# KiCad board poly_kb_molecule_16x5.kicad_pcb (continued)
## Routing (per net, layer and track width the routed paths; a pad name or vN(x,y) marks a point on that pad's centre or on a via; arc(x,y) is an arc through that point) (continued)
CS7: length 1789.9
  Top w0.254: v1(193,80.14) 193.43,80.14 v1(194.47,79.09) ; v1(175.42,79.09) 174.38,80.14 v1(173.95,80.14) ; v1(78.7,61.09) 79.13,61.09 v1(80.17,60.04) ; v1(2.5,61.09) 2.93,61.09 v1(3.97,60.04) ; v1(231.1,22.99) 231.53,22.99 v1(232.57,21.94) ; v1(78.7,80.14) 79.13,80.14 v1(80.17,79.09) ; v1(232.57,40.99) 231.53,42.04 v1(231.1,42.04) ; v1(3.97,21.94) 2.93,22.99 v1(2.5,22.99) ; v1(40.6,3.94) 41.03,3.94 v1(42.07,2.89) ; v1(269.2,3.94) 269.63,3.94 v1(270.67,2.89) ; v1(250.15,42.04) 250.58,42.04 v1(251.62,40.99) ; v1(23.02,60.04) 21.98,61.09 v1(21.55,61.09) ; v1(61.12,79.09) 60.08,80.14 v1(59.65,80.14) ; v1(175.42,2.89) 174.38,3.94 v1(173.95,3.94) ; v1(288.25,3.94) 288.68,3.94 v1(289.72,2.89) ; v1(40.6,80.14) 41.03,80.14 v1(42.07,79.09) ; v1(232.57,2.89) 231.53,3.94 v1(231.1,3.94) ; v1(59.65,3.94) 60.08,3.94 v1(61.12,2.89) ; v1(289.72,40.99) 288.68,42.04 v1(288.25,42.04) ; v1(118.27,60.04) 117.23,61.09 v1(116.8,61.09) ; v1(212.05,22.99) 212.48,22.99 v1(213.52,21.94) ; v1(156.37,40.99) 155.33,42.04 v1(154.9,42.04) ; v1(269.2,61.09) 269.63,61.09 v1(270.67,60.04) ; v1(251.62,2.89) 250.58,3.94 v1(250.15,3.94) ; v1(118.27,2.89) 117.23,3.94 v1(116.8,3.94) ; v1(97.75,61.09) 98.18,61.09 v1(99.22,60.04) ; v1(173.95,61.09) 174.38,61.09 v1(175.42,60.04) ; v1(269.2,22.99) 269.63,22.99 v1(270.67,21.94) ; v1(118.27,79.09) 117.23,80.14 v1(116.8,80.14) ; v1(80.17,2.89) 79.13,3.94 v1(78.7,3.94) ; v1(193,22.99) 193.43,22.99 v1(194.47,21.94) ; v1(193,61.09) 193.43,61.09 v1(194.47,60.04) ; v1(231.1,80.14) 231.53,80.14 v1(232.57,79.09) ; v1(212.05,42.04) 212.48,42.04 v1(213.52,40.99) ; v1(42.07,40.99) 41.03,42.04 v1(40.6,42.04) ; v1(193,42.04) 193.43,42.04 v1(194.47,40.99) ; v1(97.75,42.04) 98.18,42.04 v1(99.22,40.99) ; v1(213.52,79.09) 212.48,80.14 v1(212.05,80.14) ; v1(118.27,40.99) 117.23,42.04 v1(116.8,42.04) ; v1(289.72,79.09) 288.68,80.14 v1(288.25,80.14) ; v1(156.37,2.89) 155.33,3.94 v1(154.9,3.94) ; v1(251.62,79.09) 250.58,80.14 v1(250.15,80.14) ; v1(23.02,2.89) 21.98,3.94 v1(21.55,3.94) ; v1(156.37,79.09) 155.33,80.14 v1(154.9,80.14) ; v1(21.55,22.99) 21.98,22.99 v1(23.02,21.94) ; v1(80.17,21.94) 79.13,22.99 v1(78.7,22.99) ; v1(23.02,79.09) 21.98,80.14 v1(21.55,80.14) ; v1(213.52,2.89) 212.48,3.94 v1(212.05,3.94) ; v1(42.07,60.04) 41.03,61.09 v1(40.6,61.09) ; v1(173.95,22.99) 174.38,22.99 v1(175.42,21.94) ; v1(270.67,40.99) 269.63,42.04 v1(269.2,42.04) ; v1(154.9,61.09) 155.33,61.09 v1(156.37,60.04) ; v1(3.97,40.99) 2.93,42.04 v1(2.5,42.04) ; v1(154.9,22.99) 155.33,22.99 v1(156.37,21.94) ; v1(97.75,22.99) 98.18,22.99 v1(99.22,21.94) ; v1(3.97,2.89) 2.93,3.94 v1(2.5,3.94) ; v1(289.72,60.04) 288.68,61.09 v1(288.25,61.09) ; v1(250.15,22.99) 250.58,22.99 v1(251.62,21.94) ; v1(59.65,61.09) 60.08,61.09 v1(61.12,60.04) ; v1(194.47,2.89) 193.43,3.94 v1(193,3.94) ; v1(269.2,80.14) 269.63,80.14 v1(270.67,79.09) ; v1(212.05,61.09) 212.48,61.09 v1(213.52,60.04) ; v1(97.75,3.94) 98.18,3.94 v1(99.22,2.89) ; v1(61.12,40.99) 60.08,42.04 v1(59.65,42.04) ; v1(232.57,60.04) 231.53,61.09 v1(231.1,61.09) ; v1(21.55,42.04) 21.98,42.04 v1(23.02,40.99) ; v1(250.15,61.09) 250.58,61.09 v1(251.62,60.04) ; v1(61.12,21.94) 60.08,22.99 v1(59.65,22.99) ; v1(116.8,22.99) 117.23,22.99 v1(118.27,21.94) ; v1(80.17,40.99) 79.13,42.04 v1(78.7,42.04) ; v1(173.95,42.04) 174.38,42.04 v1(175.42,40.99) ; v1(40.6,22.99) 41.03,22.99 v1(42.07,21.94) ; v1(3.97,79.09) 2.93,80.14 v1(2.5,80.14) ; v1(288.25,22.99) 288.68,22.99 v1(289.72,21.94) ; v1(99.22,79.09) 98.18,80.14 v1(97.75,80.14)
  Bottom w0.254: v1(42.07,40.99) 42.07,41.25 42.11,41.28 42.11,41.43 43.06,42.39 43.26,42.39 43.31,42.43 43.33,42.43 43.4,42.5 50.68,42.5 51.61,43.43 51.61,44.21 51.63,44.22 51.63,44.23 51.63,44.23 51.63,44.24 52.03,44.63 52.53,44.63 52.82,44.34 52.82,44.04 52.86,44.01 52.86,42.85 54.08,41.62 J6#35.8 ; v1(231.1,42.04) 231.08,42.06 229.55,42.06 J5#2.8 ; J5#45.8 191.45,23.01 192.98,23.01 v1(193,22.99) ; v1(40.6,22.99) 40.58,23.01 39.05,23.01 J5#77.8 ; v1(40.6,42.04) 40.58,42.06 39.05,42.06 J5#31.8 ; v1(3.97,40.99) 3.97,41.25 4.01,41.28 4.01,41.43 4.96,42.39 5.16,42.39 5.21,42.43 5.23,42.43 5.3,42.5 12.58,42.5 13.51,43.43 13.51,44.21 13.53,44.22 13.53,44.23 13.53,44.23 13.53,44.24 13.93,44.63 14.43,44.63 14.72,44.34 14.72,44.04 14.76,44.01 14.76,42.85 15.98,41.62 J6#20.8 ; v1(289.72,79.09) 289.72,79.35 289.76,79.38 289.76,79.53 290.71,80.49 290.91,80.49 290.96,80.53 290.98,80.53 291.05,80.6 298.33,80.6 299.26,81.53 299.26,82.31 299.28,82.32 299.28,82.33 299.28,82.33 299.28,82.34 299.68,82.73 300.18,82.73 300.47,82.44 300.47,82.14 300.51,82.11 300.51,80.95 301.73,79.72 J6#34.8 ; J6#18.8 130.28,60.67 129.06,61.9 129.06,63.06 129.02,63.09 129.02,63.39 128.73,63.68 128.23,63.68 127.83,63.29 127.83,63.28 127.83,63.28 127.83,63.27 127.81,63.26 127.81,62.48 126.88,61.55 119.6,61.55 119.53,61.48 119.51,61.48 119.46,61.44 119.26,61.44 118.31,60.48 118.31,60.33 118.27,60.3 v1(118.27,60.04) ; v1(270.67,40.99) 270.67,41.25 270.71,41.28 270.71,41.43 271.66,42.39 271.86,42.39 271.91,42.43 271.93,42.43 272,42.5 279.28,42.5 280.21,43.43 280.21,44.21 280.23,44.22 280.23,44.23 280.23,44.23 280.23,44.24 280.63,44.63 281.13,44.63 281.42,44.34 281.42,44.04 281.46,44.01 281.46,42.85 282.68,41.62 J6#71.8 ; J5#4.8 153.35,23.01 154.88,23.01 v1(154.9,22.99) ; J6#22.8 263.63,41.62 262.41,42.85 262.41,44.01 262.37,44.04 262.37,44.34 262.08,44.63 261.58,44.63 261.18,44.24 261.18,44.23 261.18,44.23 261.18,44.22 261.16,44.21 261.16,43.43 260.23,42.5 252.95,42.5 252.88,42.43 252.86,42.43 252.81,42.39 252.61,42.39 251.66,41.43 251.66,41.28 251.62,41.25 v1(251.62,40.99) ; v1(270.67,60.04) 270.67,60.3 270.71,60.33 270.71,60.48 271.66,61.44 271.86,61.44 271.91,61.48 271.93,61.48 272,61.55 279.28,61.55 280.21,62.48 280.21,63.26 280.23,63.27 280.23,63.28 280.23,63.28 280.23,63.29 280.63,63.68 281.13,63.68 281.42,63.39 281.42,63.09 281.46,63.06 281.46,61.9 282.68,60.67 J6#17.8 ; v1(23.02,60.04) 23.02,60.3 23.06,60.33 23.06,60.48 24.01,61.44 24.21,61.44 24.26,61.48 24.28,61.48 24.35,61.55 31.63,61.55 32.56,62.48 32.56,63.26 32.58,63.27 32.58,63.28 32.58,63.28 32.58,63.29 32.98,63.68 33.48,63.68 33.77,63.39 33.77,63.09 33.81,63.06 33.81,61.9 35.03,60.67 J6#3.8 ; J6#39.8 244.58,41.62 243.36,42.85 243.36,44.01 243.32,44.04 243.32,44.34 243.03,44.63 242.53,44.63 242.13,44.24 242.13,44.23 242.13,44.23 242.13,44.22 242.11,44.21 242.11,43.43 241.18,42.5 233.9,42.5 233.83,42.43 233.81,42.43 233.76,42.39 233.56,42.39 232.61,41.43 232.61,41.28 232.57,41.25 v1(232.57,40.99) ; v1(40.6,3.94) 40.58,3.96 39.05,3.96 J5#71.8 ; v1(213.52,79.09) 213.52,79.35 213.56,79.38 213.56,79.53 214.51,80.49 214.71,80.49 214.76,80.53 214.78,80.53 214.85,80.6 222.13,80.6 223.06,81.53 223.06,82.31 223.08,82.32 223.08,82.33 223.08,82.33 223.08,82.34 223.48,82.73 223.98,82.73 224.27,82.44 224.27,82.14 224.31,82.11 224.31,80.95 225.53,79.72 J6#50.8 ; v1(80.17,40.99) 80.17,41.25 80.21,41.28 80.21,41.43 81.16,42.39 81.36,42.39 81.41,42.43 81.43,42.43 81.5,42.5 88.78,42.5 89.71,43.43 89.71,44.21 89.73,44.22 89.73,44.23 89.73,44.23 89.73,44.24 90.13,44.63 90.63,44.63 90.92,44.34 90.92,44.04 90.96,44.01 90.96,42.85 92.18,41.62 J6#66.8 ; v1(80.17,21.94) 80.17,22.2 80.21,22.23 80.21,22.38 81.16,23.34 81.36,23.34 81.41,23.38 81.43,23.38 81.5,23.45 88.78,23.45 89.71,24.38 89.71,25.16 89.73,25.17 89.73,25.18 89.73,25.18 89.73,25.19 90.13,25.58 90.63,25.58 90.92,25.29 90.92,24.99 90.96,24.96 90.96,23.8 92.18,22.57 J6#73.8 ; J6#30.8 225.53,60.67 224.31,61.9 224.31,63.06 224.27,63.09 224.27,63.39 223.98,63.68 223.48,63.68 223.08,63.29 223.08,63.28 223.08,63.28 223.08,63.27 223.06,63.26 223.06,62.48 222.13,61.55 214.85,61.55 214.78,61.48 214.76,61.48 214.71,61.44 214.51,61.44 213.56,60.48 213.56,60.33 213.52,60.3 v1(213.52,60.04) ; v1(61.12,79.09) 61.12,79.35 61.16,79.38 61.16,79.53 62.11,80.49 62.31,80.49 62.36,80.53 62.38,80.53 62.45,80.6 69.73,80.6 70.66,81.53 70.66,82.31 70.68,82.32 70.68,82.33 70.68,82.33 70.68,82.34 71.08,82.73 71.58,82.73 71.87,82.44 71.87,82.14 71.91,82.11 71.91,80.95 73.13,79.72 J6#31.8 ; J5#3.8 39.05,80.16 40.58,80.16 v1(40.6,80.14) ; J6#26.8 92.18,79.72 90.96,80.95 90.96,82.11 90.92,82.14 90.92,82.44 90.63,82.73 90.13,82.73 89.73,82.34 89.73,82.33 89.73,82.33 89.73,82.32 89.71,82.31 89.71,81.53 88.78,80.6 81.5,80.6 81.43,80.53 81.41,80.53 81.36,80.49 81.16,80.49 80.21,79.53 80.21,79.38 80.17,79.35 v1(80.17,79.09) ; v1(231.1,22.99) 231.08,23.01 229.55,23.01 J5#10.8 ; J5#49.8 248.6,42.06 250.13,42.06 v1(250.15,42.04) ; J5#63.8 20,23.01 21.53,23.01 v1(21.55,22.99) ; J5#56.8 58.1,80.16 59.63,80.16 v1(59.65,80.14) ; v1(193,3.94) 192.98,3.96 191.45,3.96 J5#37.8 ; J5#35.8 172.4,3.96 173.93,3.96 v1(173.95,3.94) ; v1(194.47,21.94) 194.47,22.2 194.51,22.23 194.51,22.38 195.46,23.34 195.66,23.34 195.71,23.38 195.73,23.38 195.8,23.45 203.08,23.45 204.01,24.38 204.01,25.16 204.03,25.17 204.03,25.18 204.03,25.18 204.03,25.19 204.43,25.58 204.93,25.58 205.22,25.29 205.22,24.99 205.26,24.96 205.26,23.8 206.48,22.57 J6#58.8 ; v1(116.8,3.94) 116.78,3.96 115.25,3.96 J5#66.8 ; J5#38.8 20,61.11 21.53,61.11 v1(21.55,61.09) ; J6#54.8 206.48,79.72 205.26,80.95 205.26,82.11 205.22,82.14 205.22,82.44 204.93,82.73 204.43,82.73 204.03,82.34 204.03,82.33 204.03,82.33 204.03,82.32 204.01,82.31 204.01,81.53 203.08,80.6 195.8,80.6 195.73,80.53 195.71,80.53 195.66,80.49 195.46,80.49 194.51,79.53 194.51,79.38 194.47,79.35 v1(194.47,79.09) ; J5#54.8 229.55,80.16 231.08,80.16 v1(231.1,80.14) ; J6#56.8 54.08,3.53 52.86,4.75 52.86,5.91 52.82,5.94 52.82,6.24 52.53,6.53 52.03,6.53 51.63,6.14 51.63,6.13 51.63,6.13 51.63,6.12 51.61,6.11 51.61,5.33 50.68,4.4 43.4,4.4 43.33,4.33 43.31,4.33 43.26,4.29 43.06,4.29 42.11,3.33 42.11,3.18 42.07,3.15 v1(42.07,2.89) ; v1(251.62,60.04) 251.62,60.3 251.66,60.33 251.66,60.48 252.61,61.44 252.81,61.44 252.86,61.48 252.88,61.48 252.95,61.55 260.23,61.55 261.16,62.48 261.16,63.26 261.18,63.27 261.18,63.28 261.18,63.28 261.18,63.29 261.58,63.68 262.08,63.68 262.37,63.39 262.37,63.09 262.41,63.06 262.41,61.9 263.63,60.67 J6#42.8 ; v1(118.27,40.99) 118.27,41.25 118.31,41.28 118.31,41.43 119.26,42.39 119.46,42.39 119.51,42.43 119.53,42.43 119.6,42.5 126.88,42.5 127.81,43.43 127.81,44.21 127.83,44.22 127.83,44.23 127.83,44.23 127.83,44.24 128.23,44.63 128.73,44.63 129.02,44.34 129.02,44.04 129.06,44.01 129.06,42.85 130.28,41.62 J6#68.8 ; v1(231.1,61.09) 231.08,61.11 229.55,61.11 J5#59.8 ; J6#4.8 111.23,60.67 110.01,61.9 110.01,63.06 109.97,63.09 109.97,63.39 109.68,63.68 109.18,63.68 108.78,63.29 108.78,63.28 108.78,63.28 108.78,63.27 108.76,63.26 108.76,62.48 107.83,61.55 100.55,61.55 100.48,61.48 100.46,61.48 100.41,61.44 100.21,61.44 99.26,60.48 99.26,60.33 99.22,60.3 v1(99.22,60.04) ; v1(269.2,22.99) 269.18,23.01 267.65,23.01 J5#24.8 ; J6#19.8 168.38,79.72 167.16,80.95 167.16,82.11 167.12,82.14 167.12,82.44 166.83,82.73 166.33,82.73 165.93,82.34 165.93,82.33 165.93,82.33 165.93,82.32 165.91,82.31 165.91,81.53 164.98,80.6 157.7,80.6 157.63,80.53 157.61,80.53 157.56,80.49 157.36,80.49 156.41,79.53 156.41,79.38 156.37,79.35 v1(156.37,79.09) ; J6#36.8 244.58,3.53 243.36,4.75 243.36,5.91 243.32,5.94 243.32,6.24 243.03,6.53 242.53,6.53 242.13,6.14 242.13,6.13 242.13,6.13 242.13,6.12 242.11,6.11 242.11,5.33 241.18,4.4 233.9,4.4 233.83,4.33 233.81,4.33 233.76,4.29 233.56,4.29 232.61,3.33 232.61,3.18 232.57,3.15 v1(232.57,2.89) ; J5#9.8 58.1,3.96 59.63,3.96 v1(59.65,3.94) ; J5#43.8 172.4,80.16 173.93,80.16 v1(173.95,80.14) ; J6#72.8 111.23,22.57 110.01,23.8 110.01,24.96 109.97,24.99 109.97,25.29 109.68,25.58 109.18,25.58 108.78,25.19 108.78,25.18 108.78,25.18 108.78,25.17 108.76,25.16 108.76,24.38 107.83,23.45 100.55,23.45 100.48,23.38 100.46,23.38 100.41,23.34 100.21,23.34 99.26,22.38 99.26,22.23 99.22,22.2 v1(99.22,21.94) ; J6#69.8 263.63,3.53 262.41,4.75 262.41,5.91 262.37,5.94 262.37,6.24 262.08,6.53 261.58,6.53 261.18,6.14 261.18,6.13 261.18,6.13 261.18,6.12 261.16,6.11 261.16,5.33 260.23,4.4 252.95,4.4 252.88,4.33 252.86,4.33 252.81,4.29 252.61,4.29 251.66,3.33 251.66,3.18 251.62,3.15 v1(251.62,2.89) ; v1(193,61.09) 192.98,61.11 191.45,61.11 J5#15.8 ; J5#28.8 96.2,42.06 97.73,42.06 v1(97.75,42.04) ; v1(250.15,61.09) 250.13,61.11 248.6,61.11 J5#36.8 ; v1(213.52,21.94) 213.52,22.2 213.56,22.23 213.56,22.38 214.51,23.34 214.71,23.34 214.76,23.38 214.78,23.38 214.85,23.45 222.13,23.45 223.06,24.38 223.06,25.16 223.08,25.17 223.08,25.18 223.08,25.18 223.08,25.19 223.48,25.58 223.98,25.58 224.27,25.29 224.27,24.99 224.31,24.96 224.31,23.8 225.53,22.57 J6#28.8 ; v1(288.25,22.99) 288.23,23.01 286.7,23.01 J5#7.8 ; v1(231.1,3.94) 231.08,3.96 229.55,3.96 J5#14.8 ; J5#11.8 77.15,3.96 78.68,3.96 v1(78.7,3.94) ; v1(156.37,2.89) 156.37,3.15 156.41,3.18 156.41,3.33 157.36,4.29 157.56,4.29 157.61,4.33 157.63,4.33 157.7,4.4 164.98,4.4 165.91,5.33 165.91,6.11 165.93,6.12 165.93,6.13 165.93,6.13 165.93,6.14 166.33,6.53 166.83,6.53 167.12,6.24 167.12,5.94 167.16,5.91 167.16,4.75 168.38,3.53 J6#7.8 ; v1(80.17,60.04) 80.17,60.3 80.21,60.33 80.21,60.48 81.16,61.44 81.36,61.44 81.41,61.48 81.43,61.48 81.5,61.55 88.78,61.55 89.71,62.48 89.71,63.26 89.73,63.27 89.73,63.28 89.73,63.28 89.73,63.29 90.13,63.68 90.63,63.68 90.92,63.39 90.92,63.09 90.96,63.06 90.96,61.9 92.18,60.67 J6#25.8 ; v1(213.52,40.99) 213.52,41.25 213.56,41.28 213.56,41.43 214.51,42.39 214.71,42.39 214.76,42.43 214.78,42.43 214.85,42.5 222.13,42.5 223.06,43.43 223.06,44.21 223.08,44.22 223.08,44.23 223.08,44.23 223.08,44.24 223.48,44.63 223.98,44.63 224.27,44.34 224.27,44.04 224.31,44.01 224.31,42.85 225.53,41.62 J6#16.8 ; J5#34.8 153.35,80.16 154.88,80.16 v1(154.9,80.14) ; J5#79.8 210.5,42.06 212.03,42.06 v1(212.05,42.04) ; v1(97.75,22.99) 97.73,23.01 96.2,23.01 J5#30.8 ; v1(78.7,22.99) 78.68,23.01 77.15,23.01 J5#23.8 ; J6#24.8 15.98,22.57 14.76,23.8 14.76,24.96 14.72,24.99 14.72,25.29 14.43,25.58 13.93,25.58 13.53,25.19 13.53,25.18 13.53,25.18 13.53,25.17 13.51,25.16 13.51,24.38 12.58,23.45 5.3,23.45 5.23,23.38 5.21,23.38 5.16,23.34 4.96,23.34 4.01,22.38 4.01,22.23 3.97,22.2 v1(3.97,21.94) ; J5#67.8 0.95,42.06 2.48,42.06 v1(2.5,42.04) ; v1(59.65,61.09) 59.63,61.11 58.1,61.11 J5#21.8 ; v1(97.75,3.94) 97.73,3.96 96.2,3.96 J5#12.8 ; v1(288.25,61.09) 288.23,61.11 286.7,61.11 J5#70.8 ; J5#75.8 210.5,61.11 212.03,61.11 v1(212.05,61.09) ; J6#10.8 111.23,3.53 110.01,4.75 110.01,5.91 109.97,5.94 109.97,6.24 109.68,6.53 109.18,6.53 108.78,6.14 108.78,6.13 108.78,6.13 108.78,6.12 108.76,6.11 108.76,5.33 107.83,4.4 100.55,4.4 100.48,4.33 100.46,4.33 100.41,4.29 100.21,4.29 99.26,3.33 99.26,3.18 99.22,3.15 v1(99.22,2.89) ; v1(61.12,21.94) 61.12,22.2 61.16,22.23 61.16,22.38 62.11,23.34 62.31,23.34 62.36,23.38 62.38,23.38 62.45,23.45 69.73,23.45 70.66,24.38 70.66,25.16 70.68,25.17 70.68,25.18 70.68,25.18 70.68,25.19 71.08,25.58 71.58,25.58 71.87,25.29 71.87,24.99 71.91,24.96 71.91,23.8 73.13,22.57 J6#27.8 ; J5#26.8 191.45,80.16 192.98,80.16 v1(193,80.14) ; v1(3.97,79.09) 3.97,79.35 4.01,79.38 4.01,79.53 4.96,80.49 5.16,80.49 5.21,80.53 5.23,80.53 5.3,80.6 12.58,80.6 13.51,81.53 13.51,82.31 13.53,82.32 13.53,82.33 13.53,82.33 13.53,82.34 13.93,82.73 14.43,82.73 14.72,82.44 14.72,82.14 14.76,82.11 14.76,80.95 15.98,79.72 J6.8 ; J5#65.8 20,80.16 21.53,80.16 v1(21.55,80.14) ; J6#15.8 301.73,41.62 300.51,42.85 300.51,44.01 300.47,44.04 300.47,44.34 300.18,44.63 299.68,44.63 299.28,44.24 299.28,44.23 299.28,44.23 299.28,44.22 299.26,44.21 299.26,43.43 298.33,42.5 291.05,42.5 290.98,42.43 290.96,42.43 290.91,42.39 290.71,42.39 289.76,41.43 289.76,41.28 289.72,41.25 v1(289.72,40.99) ; v1(116.8,22.99) 116.78,23.01 115.25,23.01 J5#62.8 ; v1(251.62,21.94) 251.62,22.2 251.66,22.23 251.66,22.38 252.61,23.34 252.81,23.34 252.86,23.38 252.88,23.38 252.95,23.45 260.23,23.45 261.16,24.38 261.16,25.16 261.18,25.17 261.18,25.18 261.18,25.18 261.18,25.19 261.58,25.58 262.08,25.58 262.37,25.29 262.37,24.99 262.41,24.96 262.41,23.8 263.63,22.57 J6#2.8 ; v1(175.42,21.94) 175.42,22.2 175.46,22.23 175.46,22.38 176.41,23.34 176.61,23.34 176.66,23.38 176.68,23.38 176.75,23.45 184.03,23.45 184.96,24.38 184.96,25.16 184.98,25.17 184.98,25.18 184.98,25.18 184.98,25.19 185.38,25.58 185.88,25.58 186.17,25.29 186.17,24.99 186.21,24.96 186.21,23.8 187.43,22.57 J6#38.8 ; J6#29.8 244.58,22.57 243.36,23.8 243.36,24.96 243.32,24.99 243.32,25.29 243.03,25.58 242.53,25.58 242.13,25.19 242.13,25.18 242.13,25.18 242.13,25.17 242.11,25.16 242.11,24.38 241.18,23.45 233.9,23.45 233.83,23.38 233.81,23.38 233.76,23.34 233.56,23.34 232.61,22.38 232.61,22.23 232.57,22.2 v1(232.57,21.94) ; J5#51.8 115.25,61.11 116.78,61.11 v1(116.8,61.09) ; J6#32.8 168.38,22.57 167.16,23.8 167.16,24.96 167.12,24.99 167.12,25.29 166.83,25.58 166.33,25.58 165.93,25.19 165.93,25.18 165.93,25.18 165.93,25.17 165.91,25.16 165.91,24.38 164.98,23.45 157.7,23.45 157.63,23.38 157.61,23.38 157.56,23.34 157.36,23.34 156.41,22.38 156.41,22.23 156.37,22.2 v1(156.37,21.94) ; J5#17.8 248.6,3.96 250.13,3.96 v1(250.15,3.94) ; v1(250.15,80.14) 250.13,80.16 248.6,80.16 J5#58.8 ; J6#74.8 35.03,22.57 33.81,23.8 33.81,24.96 33.77,24.99 33.77,25.29 33.48,25.58 32.98,25.58 32.58,25.19 32.58,25.18 32.58,25.18 32.58,25.17 32.56,25.16 32.56,24.38 31.63,23.45 24.35,23.45 24.28,23.38 24.26,23.38 24.21,23.34 24.01,23.34 23.06,22.38 23.06,22.23 23.02,22.2 v1(23.02,21.94) ; v1(78.7,80.14) 78.68,80.16 77.15,80.16 J5#22.8 ; J5#20.8 210.5,80.16 212.03,80.16 v1(212.05,80.14) ; J6#52.8 244.58,79.72 243.36,80.95 243.36,82.11 243.32,82.14 243.32,82.44 243.03,82.73 242.53,82.73 242.13,82.34 242.13,82.33 242.13,82.33 242.13,82.32 242.11,82.31 242.11,81.53 241.18,80.6 233.9,80.6 233.83,80.53 233.81,80.53 233.76,80.49 233.56,80.49 232.61,79.53 232.61,79.38 232.57,79.35 v1(232.57,79.09) ; J6#9.8 301.73,3.53 300.51,4.75 300.51,5.91 300.47,5.94 300.47,6.24 300.18,6.53 299.68,6.53 299.28,6.14 299.28,6.13 299.28,6.13 299.28,6.12 299.26,6.11 299.26,5.33 298.33,4.4 291.05,4.4 290.98,4.33 290.96,4.33 290.91,4.29 290.71,4.29 289.76,3.33 289.76,3.18 289.72,3.15 v1(289.72,2.89) ; J5#57.8 153.35,3.96 154.88,3.96 v1(154.9,3.94) ; J5.8 0.95,80.16 2.48,80.16 v1(2.5,80.14) ; v1(213.52,2.89) 213.52,3.15 213.56,3.18 213.56,3.33 214.51,4.29 214.71,4.29 214.76,4.33 214.78,4.33 214.85,4.4 222.13,4.4 223.06,5.33 223.06,6.11 223.08,6.12 223.08,6.13 223.08,6.13 223.08,6.14 223.48,6.53 223.98,6.53 224.27,6.24 224.27,5.94 224.31,5.91 224.31,4.75 225.53,3.53 J6#61.8 ; v1(97.75,61.09) 97.73,61.11 96.2,61.11 J5#48.8 ; J5#61.8 58.1,42.06 59.63,42.06 v1(59.65,42.04) ; J6#8.8 301.73,60.67 300.51,61.9 300.51,63.06 300.47,63.09 300.47,63.39 300.18,63.68 299.68,63.68 299.28,63.29 299.28,63.28 299.28,63.28 299.28,63.27 299.26,63.26 299.26,62.48 298.33,61.55 291.05,61.55 290.98,61.48 290.96,61.48 290.91,61.44 290.71,61.44 289.76,60.48 289.76,60.33 289.72,60.3 v1(289.72,60.04) ; v1(61.12,2.89) 61.12,3.15 61.16,3.18 61.16,3.33 62.11,4.29 62.31,4.29 62.36,4.33 62.38,4.33 62.45,4.4 69.73,4.4 70.66,5.33 70.66,6.11 70.68,6.12 70.68,6.13 70.68,6.13 70.68,6.14 71.08,6.53 71.58,6.53 71.87,6.24 71.87,5.94 71.91,5.91 71.91,4.75 73.13,3.53 J6#55.8 ; J5#8.8 20,42.06 21.53,42.06 v1(21.55,42.04) ; J6#6.8 35.03,79.72 33.81,80.95 33.81,82.11 33.77,82.14 33.77,82.44 33.48,82.73 32.98,82.73 32.58,82.34 32.58,82.33 32.58,82.33 32.58,82.32 32.56,82.31 32.56,81.53 31.63,80.6 24.35,80.6 24.28,80.53 24.26,80.53 24.21,80.49 24.01,80.49 23.06,79.53 23.06,79.38 23.02,79.35 v1(23.02,79.09) ; v1(2.5,61.09) 2.48,61.11 0.95,61.11 J5#53.8 ; J6#63.8 35.03,3.53 33.81,4.75 33.81,5.91 33.77,5.94 33.77,6.24 33.48,6.53 32.98,6.53 32.58,6.14 32.58,6.13 32.58,6.13 32.58,6.12 32.56,6.11 32.56,5.33 31.63,4.4 24.35,4.4 24.28,4.33 24.26,4.33 24.21,4.29 24.01,4.29 23.06,3.33 23.06,3.18 23.02,3.15 v1(23.02,2.89) ; v1(175.42,40.99) 175.42,41.25 175.46,41.28 175.46,41.43 176.41,42.39 176.61,42.39 176.66,42.43 176.68,42.43 176.75,42.5 184.03,42.5 184.96,43.43 184.96,44.21 184.98,44.22 184.98,44.23 184.98,44.23 184.98,44.24 185.38,44.63 185.88,44.63 186.17,44.34 186.17,44.04 186.21,44.01 186.21,42.85 187.43,41.62 J6#12.8 ; v1(116.8,80.14) 116.78,80.16 115.25,80.16 J5#39.8 ; v1(269.2,42.04) 269.18,42.06 267.65,42.06 J5#47.8 ; J6#44.8 54.08,79.72 52.86,80.95 52.86,82.11 52.82,82.14 52.82,82.44 52.53,82.73 52.03,82.73 51.63,82.34 51.63,82.33 51.63,82.33 51.63,82.32 51.61,82.31 51.61,81.53 50.68,80.6 43.4,80.6 43.33,80.53 43.31,80.53 43.26,80.49 43.06,80.49 42.11,79.53 42.11,79.38 42.07,79.35 v1(42.07,79.09) ; J5#16.8 286.7,3.96 288.23,3.96 v1(288.25,3.94) ; J6#43.8 282.68,22.57 281.46,23.8 281.46,24.96 281.42,24.99 281.42,25.29 281.13,25.58 280.63,25.58 280.23,25.19 280.23,25.18 280.23,25.18 280.23,25.17 280.21,25.16 280.21,24.38 279.28,23.45 272,23.45 271.93,23.38 271.91,23.38 271.86,23.34 271.66,23.34 270.71,22.38 270.71,22.23 270.67,22.2 v1(270.67,21.94) ; J6#41.8 206.48,60.67 205.26,61.9 205.26,63.06 205.22,63.09 205.22,63.39 204.93,63.68 204.43,63.68 204.03,63.29 204.03,63.28 204.03,63.28 204.03,63.27 204.01,63.26 204.01,62.48 203.08,61.55 195.8,61.55 195.73,61.48 195.71,61.48 195.66,61.44 195.46,61.44 194.51,60.48 194.51,60.33 194.47,60.3 v1(194.47,60.04) ; v1(3.97,2.89) 3.97,3.15 4.01,3.18 4.01,3.33 4.96,4.29 5.16,4.29 5.21,4.33 5.23,4.33 5.3,4.4 12.58,4.4 13.51,5.33 13.51,6.11 13.53,6.12 13.53,6.13 13.53,6.13 13.53,6.14 13.93,6.53 14.43,6.53 14.72,6.24 14.72,5.94 14.76,5.91 14.76,4.75 15.98,3.53 J6#65.8 ; v1(99.22,40.99) 99.22,41.25 99.26,41.28 99.26,41.43 100.21,42.39 100.41,42.39 100.46,42.43 100.48,42.43 100.55,42.5 107.83,42.5 108.76,43.43 108.76,44.21 108.78,44.22 108.78,44.23 108.78,44.23 108.78,44.24 109.18,44.63 109.68,44.63 109.97,44.34 109.97,44.04 110.01,44.01 110.01,42.85 111.23,41.62 J6#33.8 ; J6#60.8 130.28,3.53 129.06,4.75 129.06,5.91 129.02,5.94 129.02,6.24 128.73,6.53 128.23,6.53 127.83,6.14 127.83,6.13 127.83,6.13 127.83,6.12 127.81,6.11 127.81,5.33 126.88,4.4 119.6,4.4 119.53,4.33 119.51,4.33 119.46,4.29 119.26,4.29 118.31,3.33 118.31,3.18 118.27,3.15 v1(118.27,2.89) ; v1(42.07,21.94) 42.07,22.2 42.11,22.23 42.11,22.38 43.06,23.34 43.26,23.34 43.31,23.38 43.33,23.38 43.4,23.45 50.68,23.45 51.61,24.38 51.61,25.16 51.63,25.17 51.63,25.18 51.63,25.18 51.63,25.19 52.03,25.58 52.53,25.58 52.82,25.29 52.82,24.99 52.86,24.96 52.86,23.8 54.08,22.57 J6#57.8 ; v1(175.42,79.09) 175.42,79.35 175.46,79.38 175.46,79.53 176.41,80.49 176.61,80.49 176.66,80.53 176.68,80.53 176.75,80.6 184.03,80.6 184.96,81.53 184.96,82.31 184.98,82.32 184.98,82.33 184.98,82.33 184.98,82.34 185.38,82.73 185.88,82.73 186.17,82.44 186.17,82.14 186.21,82.11 186.21,80.95 187.43,79.72 J6#11.8 ; v1(251.62,79.09) 251.62,79.35 251.66,79.38 251.66,79.53 252.61,80.49 252.81,80.49 252.86,80.53 252.88,80.53 252.95,80.6 260.23,80.6 261.16,81.53 261.16,82.31 261.18,82.32 261.18,82.33 261.18,82.33 261.18,82.34 261.58,82.73 262.08,82.73 262.37,82.44 262.37,82.14 262.41,82.11 262.41,80.95 263.63,79.72 J6#62.8 ; J6#51.8 73.13,41.62 71.91,42.85 71.91,44.01 71.87,44.04 71.87,44.34 71.58,44.63 71.08,44.63 70.68,44.24 70.68,44.23 70.68,44.23 70.68,44.22 70.66,44.21 70.66,43.43 69.73,42.5 62.45,42.5 62.38,42.43 62.36,42.43 62.31,42.39 62.11,42.39 61.16,41.43 61.16,41.28 61.12,41.25 v1(61.12,40.99) ; v1(118.27,21.94) 118.27,22.2 118.31,22.23 118.31,22.38 119.26,23.34 119.46,23.34 119.51,23.38 119.53,23.38 119.6,23.45 126.88,23.45 127.81,24.38 127.81,25.16 127.83,25.17 127.83,25.18 127.83,25.18 127.83,25.19 128.23,25.58 128.73,25.58 129.02,25.29 129.02,24.99 129.06,24.96 129.06,23.8 130.28,22.57 J6#40.8 ; J6#49.8 282.68,79.72 281.46,80.95 281.46,82.11 281.42,82.14 281.42,82.44 281.13,82.73 280.63,82.73 280.23,82.34 280.23,82.33 280.23,82.33 280.23,82.32 280.21,82.31 280.21,81.53 279.28,80.6 272,80.6 271.93,80.53 271.91,80.53 271.86,80.49 271.66,80.49 270.71,79.53 270.71,79.38 270.67,79.35 v1(270.67,79.09) ; J6#46.8 111.23,79.72 110.01,80.95 110.01,82.11 109.97,82.14 109.97,82.44 109.68,82.73 109.18,82.73 108.78,82.34 108.78,82.33 108.78,82.33 108.78,82.32 108.76,82.31 108.76,81.53 107.83,80.6 100.55,80.6 100.48,80.53 100.46,80.53 100.41,80.49 100.21,80.49 99.26,79.53 99.26,79.38 99.22,79.35 v1(99.22,79.09) ; v1(156.37,40.99) 156.37,41.25 156.41,41.28 156.41,41.43 157.36,42.39 157.56,42.39 157.61,42.43 157.63,42.43 157.7,42.5 164.98,42.5 165.91,43.43 165.91,44.21 165.93,44.22 165.93,44.23 165.93,44.23 165.93,44.24 166.33,44.63 166.83,44.63 167.12,44.34 167.12,44.04 167.16,44.01 167.16,42.85 168.38,41.62 J6#13.8 ; J5#72.8 153.35,42.06 154.88,42.06 v1(154.9,42.04) ; v1(175.42,60.04) 175.42,60.3 175.46,60.33 175.46,60.48 176.41,61.44 176.61,61.44 176.66,61.48 176.68,61.48 176.75,61.55 184.03,61.55 184.96,62.48 184.96,63.26 184.98,63.27 184.98,63.28 184.98,63.28 184.98,63.29 185.38,63.68 185.88,63.68 186.17,63.39 186.17,63.09 186.21,63.06 186.21,61.9 187.43,60.67 J6#64.8 ; v1(289.72,21.94) 289.72,22.2 289.76,22.23 289.76,22.38 290.71,23.34 290.91,23.34 290.96,23.38 290.98,23.38 291.05,23.45 298.33,23.45 299.26,24.38 299.26,25.16 299.28,25.17 299.28,25.18 299.28,25.18 299.28,25.19 299.68,25.58 300.18,25.58 300.47,25.29 300.47,24.99 300.51,24.96 300.51,23.8 301.73,22.57 J6#21.8 ; v1(288.25,42.04) 288.23,42.06 286.7,42.06 J5#33.8 ; J6#45.8 244.58,60.67 243.36,61.9 243.36,63.06 243.32,63.09 243.32,63.39 243.03,63.68 242.53,63.68 242.13,63.29 242.13,63.28 242.13,63.28 242.13,63.27 242.11,63.26 242.11,62.48 241.18,61.55 233.9,61.55 233.83,61.48 233.81,61.48 233.76,61.44 233.56,61.44 232.61,60.48 232.61,60.33 232.57,60.3 v1(232.57,60.04) ; J5#13.8 267.65,3.96 269.18,3.96 v1(269.2,3.94) ; J5#46.8 96.2,80.16 97.73,80.16 v1(97.75,80.14) ; v1(2.5,3.94) 2.48,3.96 0.95,3.96 J5#40.8 ; J5#19.8 172.4,23.01 173.93,23.01 v1(173.95,22.99) ; v1(288.25,80.14) 288.23,80.16 286.7,80.16 J5#78.8 ; v1(2.5,22.99) 2.48,23.01 0.95,23.01 J5#5.8 ; J6#53.8 92.18,3.53 90.96,4.75 90.96,5.91 90.92,5.94 90.92,6.24 90.63,6.53 90.13,6.53 89.73,6.14 89.73,6.13 89.73,6.13 89.73,6.12 89.71,6.11 89.71,5.33 88.78,4.4 81.5,4.4 81.43,4.33 81.41,4.33 81.36,4.29 81.16,4.29 80.21,3.33 80.21,3.18 80.17,3.15 v1(80.17,2.89) ; J5#42.8 210.5,3.96 212.03,3.96 v1(212.05,3.94) ; J5#44.8 172.4,42.06 173.93,42.06 v1(173.95,42.04) ; v1(61.12,60.04) 61.12,60.3 61.16,60.33 61.16,60.48 62.11,61.44 62.31,61.44 62.36,61.48 62.38,61.48 62.45,61.55 69.73,61.55 70.66,62.48 70.66,63.26 70.68,63.27 70.68,63.28 70.68,63.28 70.68,63.29 71.08,63.68 71.58,63.68 71.87,63.39 71.87,63.09 71.91,63.06 71.91,61.9 73.13,60.67 J6#23.8 ; J6#59.8 54.08,60.67 52.86,61.9 52.86,63.06 52.82,63.09 52.82,63.39 52.53,63.68 52.03,63.68 51.63,63.29 51.63,63.28 51.63,63.28 51.63,63.27 51.61,63.26 51.61,62.48 50.68,61.55 43.4,61.55 43.33,61.48 43.31,61.48 43.26,61.44 43.06,61.44 42.11,60.48 42.11,60.33 42.07,60.3 v1(42.07,60.04) ; J5#69.8 39.05,61.11 40.58,61.11 v1(40.6,61.09) ; v1(156.37,60.04) 156.37,60.3 156.41,60.33 156.41,60.48 157.36,61.44 157.56,61.44 157.61,61.48 157.63,61.48 157.7,61.55 164.98,61.55 165.91,62.48 165.91,63.26 165.93,63.27 165.93,63.28 165.93,63.28 165.93,63.29 166.33,63.68 166.83,63.68 167.12,63.39 167.12,63.09 167.16,63.06 167.16,61.9 168.38,60.67 J6#5.8 ; J5#80.8 191.45,42.06 192.98,42.06 v1(193,42.04) ; J5#50.8 77.15,42.06 78.68,42.06 v1(78.7,42.04) ; J5#32.8 20,3.96 21.53,3.96 v1(21.55,3.94) ; v1(173.95,61.09) 173.93,61.11 172.4,61.11 J5#60.8 ; v1(118.27,79.09) 118.27,79.35 118.31,79.38 118.31,79.53 119.26,80.49 119.46,80.49 119.51,80.53 119.53,80.53 119.6,80.6 126.88,80.6 127.81,81.53 127.81,82.31 127.83,82.32 127.83,82.33 127.83,82.33 127.83,82.34 128.23,82.73 128.73,82.73 129.02,82.44 129.02,82.14 129.06,82.11 129.06,80.95 130.28,79.72 J6#70.8 ; J6#47.8 187.43,3.53 186.21,4.75 186.21,5.91 186.17,5.94 186.17,6.24 185.88,6.53 185.38,6.53 184.98,6.14 184.98,6.13 184.98,6.13 184.98,6.12 184.96,6.11 184.96,5.33 184.03,4.4 176.75,4.4 176.68,4.33 176.66,4.33 176.61,4.29 176.41,4.29 175.46,3.33 175.46,3.18 175.42,3.15 v1(175.42,2.89) ; J5#25.8 153.35,61.11 154.88,61.11 v1(154.9,61.09) ; v1(270.67,2.89) 270.67,3.15 270.71,3.18 270.71,3.33 271.66,4.29 271.86,4.29 271.91,4.33 271.93,4.33 272,4.4 279.28,4.4 280.21,5.33 280.21,6.11 280.23,6.12 280.23,6.13 280.23,6.13 280.23,6.14 280.63,6.53 281.13,6.53 281.42,6.24 281.42,5.94 281.46,5.91 281.46,4.75 282.68,3.53 J6#67.8 ; J5#6.8 58.1,23.01 59.63,23.01 v1(59.65,22.99) ; J5#68.8 267.65,80.16 269.18,80.16 v1(269.2,80.14) ; J5#29.8 77.15,61.11 78.68,61.11 v1(78.7,61.09) ; v1(3.97,60.04) 3.97,60.3 4.01,60.33 4.01,60.48 4.96,61.44 5.16,61.44 5.21,61.48 5.23,61.48 5.3,61.55 12.58,61.55 13.51,62.48 13.51,63.26 13.53,63.27 13.53,63.28 13.53,63.28 13.53,63.29 13.93,63.68 14.43,63.68 14.72,63.39 14.72,63.09 14.76,63.06 14.76,61.9 15.98,60.67 J6#75.8 ; J6#48.8 35.03,41.62 33.81,42.85 33.81,44.01 33.77,44.04 33.77,44.34 33.48,44.63 32.98,44.63 32.58,44.24 32.58,44.23 32.58,44.23 32.58,44.22 32.56,44.21 32.56,43.43 31.63,42.5 24.35,42.5 24.28,42.43 24.26,42.43 24.21,42.39 24.01,42.39 23.06,41.43 23.06,41.28 23.02,41.25 v1(23.02,40.99) ; J5#64.8 267.65,61.11 269.18,61.11 v1(269.2,61.09) ; v1(250.15,22.99) 250.13,23.01 248.6,23.01 J5#41.8 ; v1(194.47,2.89) 194.47,3.15 194.51,3.18 194.51,3.33 195.46,4.29 195.66,4.29 195.71,4.33 195.73,4.33 195.8,4.4 203.08,4.4 204.01,5.33 204.01,6.11 204.03,6.12 204.03,6.13 204.03,6.13 204.03,6.14 204.43,6.53 204.93,6.53 205.22,6.24 205.22,5.94 205.26,5.91 205.26,4.75 206.48,3.53 J6#14.8 ; J5#18.8 115.25,42.06 116.78,42.06 v1(116.8,42.04) ; J6#37.8 206.48,41.62 205.26,42.85 205.26,44.01 205.22,44.04 205.22,44.34 204.93,44.63 204.43,44.63 204.03,44.24 204.03,44.23 204.03,44.23 204.03,44.22 204.01,44.21 204.01,43.43 203.08,42.5 195.8,42.5 195.73,42.43 195.71,42.43 195.66,42.39 195.46,42.39 194.51,41.43 194.51,41.28 194.47,41.25 v1(194.47,40.99) ; J5#55.8 210.5,23.01 212.03,23.01 v1(212.05,22.99)